# Allegro board 8880F5-0826_3.brd (continued)
## Placement (name value [footprint] x y rotation side) (continued)
K28  UA2-5NJ-A-V3  [RL_NECUA2_5V_V3]  100.33 237.24 0 bottom
K29  G6K-2F-RF-T-5V-SPECIAL  [RL_G6K2FRT_8P_5V_GR]  171.7 260.35 270 bottom
K30  G6K-2F-RF-T-5V-SPECIAL  [RL_G6K2FRT_8P_5V_GR]  188.47 260.35 270 bottom
K31  EC2-5NJ-A  [RL_NECEC2_10P_5V]  196.34 276.86 90 bottom
K33  NC/UA2-5NJ-A-V3  [RL_NECUA2_5V_V3]  123.7 237.24 180 bottom
K34  EC2-5NJ-A  [RL_NECEC2_10P_5V]  180.34 293.37 90 bottom
K36  EC2-5NJ-A  [RL_NECEC2_10P_5V]  123.19 292.1 90 bottom
K37  EC2-5NJ-A  [RL_NECEC2_10P_5V]  163.83 293.37 90 bottom
K39  EC2-5NJ-A  [RL_NECEC2_10P_5V]  180.34 276.86 90 bottom
K40  EC2-5NJ-A  [RL_NECEC2_10P_5V]  196.34 293.37 90 bottom
K42  EC2-5NJ-A  [RL_NECEC2_10P_5V]  163.83 276.86 90 bottom
K43  G6K-2F-RF-T-5V-SPECIAL  [RL_G6K2FRT_8P_5V_GR]  269.49 276.1 180 bottom
LD902  LDG-2-S8  [LED_0805]  36.83 130.81 90 top
LOGO1  -  [LOGO_KT_KSMT]  538.48 154.94 0 top
LOGO2  LOGO_HX_Himax  [LOGO_HX_HIMAX]  518.16 138.43 0 top
LQFP176-20X20-P0.4  REF-CODE-CHIP  [CHIP_CODE]  559.05 282.19 0 top
NOREF  -  []  310.43 187.61 90 top
NOREF#2  -  []  271.34 185.18 0 top
NOREF#3  -  []  175.7 230.17 90 top
NOREF#4  -  []  392.04 257.11 90 top
NOREF#5  -  []  330.73 205.56 90 top
NOREF#6  -  []  184.47 200.54 0 top
NOREF#7  -  []  501.87 273.87 90 top
NOREF#8  -  []  168.13 199.99 90 top
NOREF#9  -  []  252.43 132.14 0 top
NOREF#10  -  []  383.73 195.88 90 top
NOREF#11  -  []  239.33 176.03 90 top
NOREF#12  -  []  404.4 289.17 90 top
NOREF#13  -  []  390.59 195.9 90 top
NOREF#14  -  []  327.89 204.35 90 top
NOREF#15  -  []  248.96 224.74 0 top
NOREF#16  -  []  295.19 271.65 90 top
NOREF#17  -  []  184.47 174.46 90 top
NOREF#18  -  []  230.73 249.2 0 top
NOREF#19  -  []  259.59 145.09 0 top
NOREF#20  -  []  405.93 288.67 90 top
NOREF#21  -  []  230.41 246.34 90 top
NOREF#22  -  []  352.55 245.18 0 top
NOREF#23  -  []  327.25 265.55 0 top
NOREF#24  -  []  456.08 214.96 0 top
NOREF#25  -  []  184.47 214 90 top
NOREF#26  -  []  127.81 175.44 90 top
NOREF#27  -  []  461.96 217.98 0 top
NOREF#28  -  []  410.27 257.37 0 top
NOREF#29  -  []  108.27 171.02 0 top
NOREF#30  -  []  167.7 147.28 90 top
NOREF#31  -  []  250.49 163.52 90 top
NOREF#32  -  []  386.46 131.89 0 top
NOREF#33  -  []  110.21 195.15 0 top
NOREF#34  -  []  247.25 265.55 0 top
NOREF#35  -  []  375.22 163.39 0 top
NOREF#36  -  []  259.65 204.65 90 top
NOREF#37  -  []  407.67 129.99 90 top
NOREF#38  -  []  254.29 205.56 90 top
NOREF#39  -  []  121.9 238.84 0 top
NOREF#40  -  []  259.33 205.56 90 top
NOREF#41  -  []  383.09 273.11 0 top
NOREF#42  -  []  231.15 219.63 90 top
NOREF#43  -  []  167.7 206.29 90 top
NOREF#44  -  []  342.08 290.13 90 top
NOREF#45  -  []  471.21 211.76 90 top
NOREF#46  -  []  333.72 204.65 90 top
NOREF#47  -  []  101.82 273.87 90 top
NOREF#48  -  []  332.51 265.56 90 top
NOREF#49  -  []  271.04 189.18 0 top
NOREF#50  -  []  401.89 180.15 0 top
NOREF#51  -  []  352.55 182.64 0 top
NOREF#52  -  []  120.21 178.64 0 top
NOREF#53  -  []  388.43 180.15 0 top
NOREF#54  -  []  263.63 225.04 90 top
NOREF#55  -  []  331.62 265.56 90 top
NOREF#56  -  []  419.9 272.82 90 top
NOREF#57  -  []  379.48 239.21 90 top
NOREF#58  -  []  343.83 171.63 90 top
NOREF#59  -  []  201.23 186.57 90 top
NOREF#60  -  []  230.73 183.41 0 top
NOREF#61  -  []  383.83 209.11 0 top
NOREF#62  -  []  378.75 224.15 90 top
NOREF#63  -  []  377.32 180.15 0 top
NOREF#64  -  []  334.61 205.86 90 top
NOREF#65  -  []  247.57 204.65 90 top
NOREF#66  -  []  411.52 146.33 90 top
NOREF#67  -  []  339.65 265.86 90 top
NOREF#68  -  []  310.41 187.61 90 top
NOREF#69  -  []  379.52 188.15 0 top
NOREF#70  -  []  184.47 219.75 90 top
NOREF#71  -  []  451.68 214.96 0 top
NOREF#72  -  []  177.33 187.32 90 top
NOREF#73  -  []  209.23 209.49 90 top
NOREF#74  -  []  371.48 232.6 0 top
NOREF#75  -  []  329.28 165.04 90 top
NOREF#76  -  []  329.85 164.74 0 top
NOREF#77  -  []  397.3 209.36 0 top
NOREF#78  -  []  119.7 231.22 0 top
NOREF#79  -  []  122.44 171.1 0 top
NOREF#80  -  []  378.33 217.11 0 top
NOREF#81  -  []  310.41 183.09 90 top
NOREF#82  -  []  219.81 273.69 90 top
NOREF#83  -  []  271.34 181.37 0 top
NOREF#84  -  []  413.1 144.98 0 top
NOREF#85  -  []  296.96 180.71 0 top
NOREF#86  -  []  396.55 241.11 0 top
NOREF#87  -  []  352.24 189.18 90 top
NOREF#88  -  []  177.33 228.47 90 top
NOREF#89  -  []  351.04 185.5 0 top
NOREF#90  -  []  184.47 217.55 90 top
NOREF#91  -  []  331.05 205.86 90 top
NOREF#92  -  []  111.54 290.38 90 top
NOREF#93  -  []  257.09 224.74 90 top
NOREF#94  -  []  115.19 128.27 0 top
NOREF#95  -  []  397.38 163.64 90 top
NOREF#96  -  []  449.99 217.9 0 top
NOREF#97  -  []  93.76 273.87 90 top
NOREF#98  -  []  375.22 180.15 0 top
NOREF#99  -  []  273.5 148.65 90 top
NOREF#100  -  []  251.86 192.43 90 top
NOREF#101  -  []  327.15 286.96 90 top
NOREF#102  -  []  387.39 297.12 0 top
NOREF#103  -  []  192.47 243.88 90 top
NOREF#104  -  []  83.77 247.51 90 top
NOREF#105  -  []  230.43 248.88 0 top
NOREF#106  -  []  463.11 230.2 0 top
NOREF#107  -  []  310.43 253.37 90 top
NOREF#108  -  []  309.21 188.88 0 top
NOREF#109  -  []  448.94 290.38 90 top
NOREF#110  -  []  305.83 264.31 0 top
NOREF#111  -  []  410.52 289.12 0 top
NOREF#112  -  []  331.86 192.43 90 top
NOREF#113  -  []  108.27 178.64 0 top
NOREF#114  -  []  460.93 191.31 90 top
NOREF#115  -  []  252.51 205.55 0 top
NOREF#116  -  []  450.03 182.17 0 top
NOREF#117  -  []  298.16 248.49 0 top
NOREF#118  -  []  221.56 182.89 0 top
NOREF#119  -  []  251.22 193.63 0 top
NOREF#120  -  []  425.2 161.74 90 top
NOREF#121  -  []  208.98 257.6 90 top
NOREF#122  -  []  222.11 180.71 0 top
NOREF#123  -  []  372.72 178.25 0 top
NOREF#124  -  []  342.68 223.52 90 top
NOREF#125  -  []  463.11 186.77 0 top
NOREF#126  -  []  192.47 209.49 90 top
NOREF#127  -  []  118.33 289.48 90 top
NOREF#128  -  []  397.8 146.33 90 top
NOREF#129  -  []  301.56 242.89 0 top
NOREF#130  -  []  229.51 247.93 0 top
NOREF#131  -  []  327.25 265.56 0 top
NOREF#132  -  []  128.05 273.87 90 top
NOREF#133  -  []  112.41 222.33 0 top
NOREF#134  -  []  272.25 249.18 90 top
NOREF#135  -  []  343.63 225.04 90 top
NOREF#136  -  []  386.33 207.21 90 top
NOREF#137  -  []  405.93 256.92 90 top
NOREF#138  -  []  396.55 225.11 0 top
NOREF#139  -  []  263.63 163.82 90 top
NOREF#140  -  []  249.6 163.52 90 top
NOREF#141  -  []  398.53 144.98 90 top
NOREF#142  -  []  168.69 290.01 90 top
NOREF#143  -  []  249.28 163.82 90 top
NOREF#144  -  []  351.58 288.86 0 top
NOREF#145  -  []  201.66 213.45 90 top
NOREF#146  -  []  199.33 212.85 90 top
NOREF#147  -  []  451.68 195.91 0 top
NOREF#148  -  []  272.25 183.59 90 top
NOREF#149  -  []  385.19 265.11 0 top
NOREF#150  -  []  222.11 240.71 0 top
NOREF#151  -  []  332.51 205.55 0 top
NOREF#152  -  []  272.66 288.86 90 top
NOREF#153  -  []  387.39 265.11 0 top
NOREF#154  -  []  201.23 186.57 0 top
NOREF#155  -  []  334.29 205.56 90 top
NOREF#156  -  []  271.34 182.64 0 top
NOREF#157  -  []  456.04 179.06 0 top
NOREF#158  -  []  279.7 155.38 0 top
NOREF#159  -  []  165.8 254 90 top
NOREF#160  -  []  412.62 249.11 0 top
NOREF#161  -  []  398.65 265.37 0 top
NOREF#162  -  []  229.21 187.61 0 top
NOREF#163  -  []  367.48 258.38 90 top
NOREF#164  -  []  168.13 186.02 90 top
NOREF#165  -  []  369.38 224.6 0 top
NOREF#166  -  []  246.63 130.24 90 top
NOREF#167  -  []  184.89 254.6 90 top
NOREF#168  -  []  511.59 257.36 90 top
NOREF#169  -  []  371.48 241.11 0 top
NOREF#170  -  []  404.15 225.11 0 top
NOREF#171  -  []  230.43 183.09 0 top
NOREF#172  -  []  230.43 187.61 0 top
NOREF#173  -  []  351.04 241.69 0 top
NOREF#174  -  []  175.7 216.45 90 top
NOREF#175  -  []  331.38 224.74 90 top
NOREF#176  -  []  399.64 144.98 0 top
NOREF#177  -  []  411.01 209.61 0 top
NOREF#178  -  []  208.98 264.1 90 top
NOREF#179  -  []  250.73 204.35 90 top
NOREF#180  -  []  184.47 206.29 90 top
NOREF#181  -  []  375.73 193.43 0 top
NOREF#182  -  []  322.23 173.13 0 top
NOREF#183  -  []  201.49 173.11 0 top
NOREF#184  -  []  373.32 164.66 90 top
NOREF#185  -  []  369.63 289.12 0 top
NOREF#186  -  []  417.87 257.37 0 top
NOREF#187  -  []  330.49 163.52 90 top
NOREF#188  -  []  325.92 131.64 0 top
NOREF#189  -  []  221.56 231.46 0 top
NOREF#190  -  []  289.29 296.86 0 top
NOREF#191  -  []  184.47 145.93 0 top
NOREF#192  -  []  201.23 200.54 90 top
NOREF#193  -  []  258.61 131.69 90 top
NOREF#194  -  []  330.73 265.56 0 top
NOREF#195  -  []  175.7 195.52 90 top
NOREF#196  -  []  552.76 299.72 0 top
NOREF#197  -  []  456.08 230.2 0 top
NOREF#198  -  []  292.74 288.86 0 top
NOREF#199  -  []  383.09 289.12 0 top
NOREF#200  -  []  331.94 265.86 90 top
NOREF#201  -  []  231.15 159.63 90 top
NOREF#202  -  []  419.47 241.11 90 top
NOREF#203  -  []  336.45 224.72 0 top
NOREF#204  -  []  175.7 205.19 90 top
NOREF#205  -  []  118.45 239.39 0 top
NOREF#206  -  []  201.21 292.55 90 top
NOREF#207  -  []  410.52 241.11 0 top
NOREF#208  -  []  110.21 222.33 0 top
NOREF#209  -  []  339.33 265.56 90 top
NOREF#210  -  []  111.54 287.84 90 top
NOREF#211  -  []  383.09 257.11 0 top
NOREF#212  -  []  167.7 219.75 90 top
NOREF#213  -  []  199.59 145.03 0 top
NOREF#214  -  []  165.8 240.28 90 top
NOREF#215  -  []  295.96 177.06 0 top
NOREF#216  -  []  385.19 249.11 0 top
NOREF#217  -  []  217.41 213.24 0 top
NOREF#218  -  []  332.61 296.86 0 top
NOREF#219  -  []  118.96 179.19 0 top
NOREF#220  -  []  554.86 298.45 0 top
NOREF#221  -  []  303.84 288.86 0 top
NOREF#222  -  []  330.51 288.86 0 top
NOREF#223  -  []  402.14 146.88 0 top
NOREF#224  -  []  351.34 189.5 0 top
NOREF#225  -  []  471.21 168.33 90 top
NOREF#226  -  []  75.98 271.33 90 top
NOREF#227  -  []  332.51 265.55 0 top
NOREF#228  -  []  167.7 244.98 90 top
NOREF#229  -  []  271.34 189.5 0 top
NOREF#230  -  []  376.98 241.11 0 top
NOREF#231  -  []  230.41 186.34 90 top
NOREF#232  -  []  199.59 158.5 90 top
NOREF#233  -  []  317.05 288.86 0 top
NOREF#234  -  []  250.73 205.56 90 top
NOREF#235  -  []  351.04 181.69 0 top
NOREF#236  -  []  303.56 245.29 90 top
NOREF#237  -  []  330.51 288.86 0 top
NOREF#238  -  []  392.73 171.64 0 top
NOREF#239  -  []  339.33 205.55 0 top
NOREF#240  -  []  425.23 180.72 90 top
NOREF#241  -  []  351.34 249.5 0 top
NOREF#242  -  []  257.9 246.35 90 top
NOREF#243  -  []  386.53 148.15 90 top
NOREF#244  -  []  393.74 131.44 90 top
NOREF#245  -  []  460.89 174.46 90 top
NOREF#246  -  []  238.45 197.01 0 top
NOREF#247  -  []  450.03 191.31 0 top
NOREF#248  -  []  259.65 204.65 90 top
NOREF#249  -  []  251.05 265.86 90 top
NOREF#250  -  []  310.43 194.01 0 top
NOREF#251  -  []  262.04 224.74 0 top
NOREF#252  -  []  456.04 222.5 0 top
NOREF#253  -  []  273.81 286.96 90 top
NOREF#254  -  []  351.04 249.18 0 top
NOREF#255  -  []  107.76 238.84 0 top
NOREF#256  -  []  247.34 133.41 90 top
NOREF#257  -  []  210.86 242.18 90 top
NOREF#258  -  []  251.62 205.56 90 top
NOREF#259  -  []  394.66 274.38 90 top
NOREF#260  -  []  224.65 271.67 0 top
NOREF#261  -  []  177.33 255.9 90 top
NOREF#262  -  []  167.7 186.57 0 top
NOREF#263  -  []  108.01 195.15 0 top
NOREF#264  -  []  221.87 295.91 0 top
NOREF#265  -  []  389.7 209.36 0 top
NOREF#266  -  []  351.04 249.82 0 top
NOREF#267  -  []  220.36 237.06 0 top
NOREF#268  -  []  343.31 164.72 0 top
NOREF#269  -  []  450.03 182.17 0 top
NOREF#270  -  []  167.7 247.18 90 top
NOREF#271  -  []  369.63 273.11 0 top
NOREF#272  -  []  332.51 204.35 90 top
NOREF#273  -  []  199.59 158.5 0 top
NOREF#274  -  []  343.63 223.82 90 top
NOREF#275  -  []  339.65 204.65 90 top
NOREF#276  -  []  390.94 257.16 90 top
NOREF#277  -  []  246.23 173.13 0 top
NOREF#278  -  []  390.94 289.17 90 top
NOREF#279  -  []  392.24 193.43 90 top
NOREF#280  -  []  483.17 130.26 90 top
NOREF#281  -  []  127.3 228.02 90 top
NOREF#282  -  []  411.52 146.43 90 top
NOREF#283  -  []  167.7 149.48 90 top
NOREF#284  -  []  390.94 273.16 90 top
NOREF#285  -  []  310.73 249.2 0 top
NOREF#286  -  []  259.97 204.35 90 top
NOREF#287  -  []  451.64 222.5 0 top
NOREF#288  -  []  271.04 189.82 0 top
NOREF#289  -  []  319.15 296.86 0 top
NOREF#290  -  []  229.21 183.09 0 top
NOREF#291  -  []  381.2 242.38 90 top
NOREF#292  -  []  338.2 246.67 0 top
NOREF#293  -  []  399.67 139.89 0 top
NOREF#294  -  []  352.25 243.59 90 top
NOREF#295  -  []  461.86 187.32 0 top
NOREF#296  -  []  456.08 171.53 0 top
NOREF#297  -  []  240.83 254.63 0 top
NOREF#298  -  []  385.32 178.25 90 top
NOREF#299  -  []  271.34 189.5 0 top
NOREF#300  -  []  401.89 180.15 0 top
NOREF#301  -  []  201.49 151.93 90 top
NOREF#302  -  []  309.21 246.34 0 top
NOREF#303  -  []  234.33 168.13 90 top
NOREF#304  -  []  483.04 195.66 0 top
NOREF#305  -  []  412.62 289.12 0 top
NOREF#306  -  []  396.55 225.11 0 top
NOREF#307  -  []  264.29 143.19 0 top
NOREF#308  -  []  418.63 131.94 90 top
NOREF#309  -  []  290.64 288.86 0 top
NOREF#310  -  []  331.62 264.35 90 top
NOREF#311  -  []  226.85 271.67 0 top
NOREF#312  -  []  415.61 183.52 90 top
NOREF#313  -  []  122.19 247.3 90 top
NOREF#314  -  []  262.36 225.04 90 top
NOREF#315  -  []  310.41 193.37 90 top
NOREF#316  -  []  304.61 131.64 0 top
NOREF#317  -  []  199.59 243.9 90 top
NOREF#318  -  []  217.83 174.63 90 top
NOREF#319  -  []  210.6 255.9 90 top
NOREF#320  -  []  108.01 222.33 0 top
NOREF#321  -  []  386.46 139.89 0 top
NOREF#322  -  []  272.25 241.69 0 top
NOREF#323  -  []  450.03 210.36 0 top
NOREF#324  -  []  310.73 189.2 0 top
NOREF#325  -  []  411.26 179.6 90 top
NOREF#326  -  []  317.98 225.04 90 top
NOREF#327  -  []  182.82 148.4 90 top
NOREF#328  -  []  251.62 264.35 90 top
NOREF#329  -  []  374.34 210.38 90 top
NOREF#330  -  []  334.29 265.56 90 top
NOREF#331  -  []  263.31 224.74 0 top
NOREF#332  -  []  201.49 151.93 90 top
NOREF#333  -  []  388.43 163.64 0 top
NOREF#334  -  []  251.94 264.65 90 top
NOREF#335  -  []  342.68 164.74 90 top
NOREF#336  -  []  400.54 188.15 0 top
NOREF#337  -  []  271.34 242.64 0 top
NOREF#338  -  []  165.8 185.42 90 top
NOREF#339  -  []  343.63 165.04 90 top
NOREF#340  -  []  106.76 215.26 0 top
NOREF#341  -  []  420.62 271.47 90 top
NOREF#342  -  []  167.7 138.47 90 top
NOREF#343  -  []  327.25 265.56 90 top
NOREF#344  -  []  367.73 274.38 90 top
NOREF#345  -  []  397.8 146.43 90 top
NOREF#346  -  []  483.04 239.09 0 top
NOREF#347  -  []  118.99 166.5 90 top
NOREF#348  -  []  410.78 131.89 0 top
NOREF#349  -  []  352.55 189.5 0 top
NOREF#350  -  []  518.38 290.38 90 top
NOREF#351  -  []  414.82 249.11 0 top
NOREF#352  -  []  333.4 264.35 90 top
NOREF#353  -  []  222.67 298 90 top
NOREF#354  -  []  400.91 207.71 0 top
NOREF#355  -  []  399.07 208.91 90 top
NOREF#356  -  []  237.66 224.74 0 top
NOREF#357  -  []  462.06 293.82 90 top
NOREF#358  -  []  404.15 241.11 0 top
NOREF#359  -  []  305.94 296.86 0 top
NOREF#360  -  []  201.49 161 90 top
NOREF#361  -  []  352.25 249.18 90 top
NOREF#362  -  []  371.73 289.12 0 top
NOREF#363  -  []  229.51 187.93 0 top
NOREF#364  -  []  230.73 249.2 0 top
NOREF#365  -  []  396.03 163.64 0 top
NOREF#366  -  []  313.22 288.41 90 top
NOREF#367  -  []  222.11 192.14 0 top
NOREF#368  -  []  343.31 224.72 0 top
NOREF#369  -  []  272.8 157.28 0 top
NOREF#370  -  []  249.85 164.74 0 top
NOREF#371  -  []  253.33 181.33 90 top
NOREF#372  -  []  310.73 253.69 0 top
NOREF#373  -  []  167.7 231.27 90 top
NOREF#374  -  []  165.8 131.57 90 top
NOREF#375  -  []  259.88 288.41 90 top
NOREF#376  -  []  115.87 167.82 90 top
NOREF#377  -  []  451.64 222.5 0 top
NOREF#378  -  []  100.98 195.15 0 top
NOREF#379  -  []  418.12 257.42 90 top
NOREF#380  -  []  453.88 186.77 0 top
NOREF#381  -  []  333.33 181.33 90 top
NOREF#382  -  []  393.19 255.21 90 top
NOREF#383  -  []  184.89 199.99 90 top
NOREF#384  -  []  279.27 296.86 0 top
NOREF#385  -  []  406.65 287.22 90 top
NOREF#386  -  []  330.49 223.52 90 top
NOREF#387  -  []  394.05 223.21 0 top
NOREF#388  -  []  451.68 171.53 0 top
NOREF#389  -  []  272.24 183.59 90 top
NOREF#390  -  []  406.65 271.21 90 top
NOREF#391  -  []  316.43 132.91 90 top
NOREF#392  -  []  254.29 265.55 0 top
NOREF#393  -  []  392.47 256.66 90 top
NOREF#394  -  []  388.43 163.64 0 top
NOREF#395  -  []  310.73 193.69 0 top
NOREF#396  -  []  175.7 175.56 90 top
NOREF#397  -  []  419.9 154.88 0 top
NOREF#398  -  []  93.76 290.38 90 top
NOREF#399  -  []  184.47 159.65 0 top
NOREF#400  -  []  108.01 214.71 0 top
NOREF#401  -  []  379.73 271.21 90 top
NOREF#402  -  []  122.15 195.15 0 top
NOREF#403  -  []  300.36 237.06 0 top
NOREF#404  -  []  253.4 205.55 0 top
NOREF#405  -  []  269.69 135.19 0 top
NOREF#406  -  []  230.43 248.88 90 top
NOREF#407  -  []  373.87 188.15 0 top
NOREF#408  -  []  182.57 212.85 90 top
NOREF#409  -  []  333.4 205.56 90 top
NOREF#410  -  []  288.74 290.13 90 top
NOREF#411  -  []  477.24 195.66 0 top
NOREF#412  -  []  404.24 146.88 0 top
NOREF#413  -  []  453.88 214.96 0 top
NOREF#414  -  []  424.47 163.19 90 top
NOREF#415  -  []  121.9 231.22 0 top
NOREF#416  -  []  339.33 205.55 0 top
NOREF#417  -  []  393.31 131.89 90 top
NOREF#418  -  []  219.81 213.69 90 top
NOREF#419  -  []  518.38 273.87 90 top
NOREF#420  -  []  262.36 163.82 90 top
NOREF#421  -  []  235.4 289.88 90 top
NOREF#422  -  []  392.47 224.4 90 top
NOREF#423  -  []  371.73 297.12 0 top
NOREF#424  -  []  381.86 129.99 0 top
NOREF#425  -  []  381.74 297.12 0 top
NOREF#426  -  []  301.95 290.13 90 top
NOREF#427  -  []  310.73 193.69 0 top
NOREF#428  -  []  259.33 265.56 90 top
NOREF#429  -  []  194.09 214.75 90 top
NOREF#430  -  []  468.01 171.53 0 top
NOREF#431  -  []  319.33 236.03 90 top
NOREF#432  -  []  209.23 191.22 90 top
NOREF#433  -  []  210.86 187.32 90 top
NOREF#434  -  []  175.7 164.3 90 top
NOREF#435  -  []  511.59 273.87 90 top
NOREF#436  -  []  260.83 234.63 90 top
NOREF#437  -  []  184.47 163.2 90 top
NOREF#438  -  []  471.21 219.38 90 top
NOREF#439  -  []  405.5 241.11 90 top
NOREF#440  -  []  403.99 163.64 0 top
NOREF#441  -  []  461.86 225.6 90 top
NOREF#442  -  []  327.57 264.65 90 top
NOREF#443  -  []  450.03 166.93 0 top
NOREF#444  -  []  230.43 253.37 90 top
NOREF#445  -  []  184.47 192.32 90 top
NOREF#446  -  []  392.47 288.57 90 top
NOREF#447  -  []  385.61 208.56 90 top
NOREF#448  -  []  116.01 214.71 0 top
NOREF#449  -  []  222.11 252.14 0 top
NOREF#450  -  []  257.09 163.52 90 top
NOREF#451  -  []  184.47 242.78 90 top
NOREF#452  -  []  378.58 289.12 90 top
NOREF#453  -  []  400.54 171.64 0 top
NOREF#454  -  []  199.59 230.19 90 top
NOREF#455  -  []  383.09 257.11 0 top
NOREF#456  -  []  175.7 150.58 90 top
NOREF#457  -  []  309.51 183.41 0 top
NOREF#458  -  []  167.7 215.35 90 top
NOREF#459  -  []  460.89 217.9 90 top
NOREF#460  -  []  220.36 177.06 0 top
NOREF#461  -  []  406.44 154.88 0 top
NOREF#462  -  []  375.73 199.18 90 top
NOREF#463  -  []  408.02 239.21 0 top
NOREF#464  -  []  303.15 271.32 90 top
NOREF#465  -  []  414.57 265.37 0 top
NOREF#466  -  []  310.83 224.63 0 top
NOREF#467  -  []  384.59 162.94 90 top
NOREF#468  -  []  272.55 243.91 0 top
NOREF#469  -  []  379.73 287.22 90 top
NOREF#470  -  []  328.96 224.74 0 top
NOREF#471  -  []  248.96 224.72 0 top
NOREF#472  -  []  184.89 172.56 90 top
NOREF#473  -  []  270.04 280.1 0 top
NOREF#474  -  []  396.55 241.11 0 top
NOREF#475  -  []  418.12 273.37 0 top
NOREF#476  -  []  105.93 204.27 90 top
NOREF#477  -  []  112.05 246.78 90 top
NOREF#478  -  []  284.77 146.93 90 top
NOREF#479  -  []  393.74 131.34 90 top
NOREF#480  -  []  397.38 146.88 90 top
NOREF#481  -  []  106.18 160.58 90 top
NOREF#482  -  []  209.49 177.76 90 top
NOREF#483  -  []  450.03 191.31 0 top
NOREF#484  -  []  318.32 131.64 0 top
NOREF#485  -  []  420.15 131.34 90 top
NOREF#486  -  []  546.67 300.44 90 top
NOREF#487  -  []  235.85 296.61 0 top
NOREF#488  -  []  409.74 180.2 90 top
NOREF#489  -  []  192.47 218.65 90 top
NOREF#490  -  []  411.99 178.25 90 top
NOREF#491  -  []  256.77 223.82 90 top
NOREF#492  -  []  461.96 217.98 0 top
NOREF#493  -  []  312.25 271.67 90 top
NOREF#494  -  []  239.33 183.63 90 top
NOREF#495  -  []  339.97 264.35 90 top
NOREF#496  -  []  168.13 132.17 90 top
NOREF#497  -  []  311.44 288.86 0 top
NOREF#498  -  []  279.27 288.86 0 top
NOREF#499  -  []  392.73 188.15 0 top
NOREF#500  -  []  459.28 168.33 90 top
NOREF#501  -  []  201.49 159.65 90 top
NOREF#502  -  []  306.85 271.67 0 top
NOREF#503  -  []  342.04 164.72 0 top
NOREF#504  -  []  185.2 276.04 90 top
NOREF#505  -  []  165.8 131.57 0 top
NOREF#506  -  []  165.8 144.78 0 top
NOREF#507  -  []  199.33 240.28 90 top
NOREF#508  -  []  398.65 273.11 0 top
NOREF#509  -  []  406.65 223.21 90 top
NOREF#510  -  []  354.27 131.87 90 top
NOREF#511  -  []  175.7 264.1 90 top
NOREF#512  -  []  395.2 249.11 0 top
NOREF#513  -  []  352.25 189.82 0 top
NOREF#514  -  []  405.5 257.37 90 top
NOREF#515  -  []  303.84 288.86 0 top
NOREF#516  -  []  260.74 143.19 0 top
NOREF#517  -  []  184.47 233.47 90 top
NOREF#518  -  []  216.96 252.14 0 top
NOREF#519  -  []  314.92 144.15 90 top
NOREF#520  -  []  377.32 171.39 0 top
NOREF#521  -  []  451.68 171.53 0 top
NOREF#522  -  []  209.49 164.3 90 top
NOREF#523  -  []  118.45 239.39 0 top
NOREF#524  -  []  379 272.56 90 top
NOREF#525  -  []  230.43 249.52 0 top
NOREF#526  -  []  369.38 241.11 0 top
NOREF#527  -  []  327.25 205.56 90 top
NOREF#528  -  []  336.45 224.74 0 top
NOREF#529  -  []  450.03 166.93 0 top
NOREF#530  -  []  313.22 288.31 90 top
NOREF#531  -  []  167.7 241.43 0 top
NOREF#532  -  []  333.4 265.56 0 top
NOREF#533  -  []  485.36 289.48 90 top
NOREF#534  -  []  118.7 188.08 0 top
NOREF#535  -  []  301.56 231.46 0 top
NOREF#536  -  []  35.83 128.17 90 top
NOREF#537  -  []  352.25 181.69 0 top
NOREF#538  -  []  172.08 272.6 90 top
NOREF#539  -  []  453.88 239.34 0 top
NOREF#540  -  []  314.33 228.13 90 top
NOREF#541  -  []  301.56 171.46 0 top
NOREF#542  -  []  175.7 232.37 90 top
NOREF#543  -  []  352.24 183.59 90 top
NOREF#544  -  []  254.29 204.35 90 top
NOREF#545  -  []  252.51 265.56 90 top
NOREF#546  -  []  237.83 197.63 0 top
NOREF#547  -  []  249.6 223.52 90 top
NOREF#548  -  []  459.28 227 90 top
NOREF#549  -  []  473.6 162.62 90 top
NOREF#550  -  []  167.7 173.11 0 top
NOREF#551  -  []  96.58 195.15 0 top
NOREF#552  -  []  374.08 195.9 90 top
NOREF#553  -  []  265.81 296.86 0 top
NOREF#554  -  []  201.49 147.53 90 top
NOREF#555  -  []  352.25 183.59 90 top
NOREF#556  -  []  352.25 249.82 0 top
NOREF#557  -  []  352.25 184.86 90 top
NOREF#558  -  []  400.85 249.11 0 top
NOREF#559  -  []  192.57 242.68 90 top
NOREF#560  -  []  184.47 161 90 top
NOREF#561  -  []  237.66 164.72 0 top
NOREF#562  -  []  118.7 182.93 90 top
NOREF#563  -  []  369.38 224.6 0 top
NOREF#564  -  []  273.95 147.38 90 top
NOREF#565  -  []  306.85 211.67 0 top
NOREF#566  -  []  392.47 288.67 90 top
NOREF#567  -  []  377.23 257.16 90 top
NOREF#568  -  []  352.24 182.32 90 top
NOREF#569  -  []  339.46 288.86 90 top
NOREF#570  -  []  385.93 161.74 0 top
NOREF#571  -  []  473.6 206.05 90 top
NOREF#572  -  []  418.37 273.42 90 top
NOREF#573  -  []  262.68 223.52 90 top
NOREF#574  -  []  272.25 181.69 0 top
NOREF#575  -  []  272.25 243.59 90 top
NOREF#576  -  []  251.22 253.63 0 top
NOREF#577  -  []  303.15 211.32 90 top
NOREF#578  -  []  329.28 163.82 90 top
NOREF#579  -  []  320.42 131.64 0 top
NOREF#580  -  []  397.8 163.09 90 top
NOREF#581  -  []  262.09 143.19 0 top
NOREF#582  -  []  302.11 252.14 0 top
NOREF#583  -  []  185.2 273.5 90 top
NOREF#584  -  []  351.04 245.5 0 top
NOREF#585  -  []  352.24 242.32 90 top
NOREF#586  -  []  201.23 241.43 90 top
NOREF#587  -  []  182.57 212.85 0 top
NOREF#588  -  []  167.7 161 90 top
NOREF#589  -  []  460.93 210.36 90 top
NOREF#590  -  []  215.96 237.06 0 top
NOREF#591  -  []  406.65 255.47 90 top
NOREF#592  -  []  408.63 242.38 90 top
NOREF#593  -  []  248.33 187.93 0 top
NOREF#594  -  []  230.43 189.52 0 top
NOREF#595  -  []  127.3 235.64 90 top
NOREF#596  -  []  259.33 265.55 0 top
NOREF#597  -  []  184.89 213.45 90 top
NOREF#598  -  []  318.45 197.01 0 top
NOREF#599  -  []  229.21 246.34 0 top
NOREF#600  -  []  253.53 140.14 0 top
NOREF#601  -  []  409.49 163.64 0 top
NOREF#602  -  []  309.21 187.61 0 top
NOREF#603  -  []  392.66 192.88 90 top
NOREF#604  -  []  201.23 244.98 90 top
NOREF#605  -  []  413.2 164.91 90 top
NOREF#606  -  []  167.7 186.57 90 top
NOREF#607  -  []  230.43 193.37 90 top
NOREF#608  -  []  310.43 254.01 0 top
NOREF#609  -  []  463.61 222.58 0 top
NOREF#610  -  []  234.7 298.51 0 top
NOREF#611  -  []  218.16 248.49 0 top
NOREF#612  -  []  375.73 199.18 90 top
NOREF#613  -  []  209.23 243.88 90 top
NOREF#614  -  []  284.79 272.65 90 top
NOREF#615  -  []  351.04 189.18 0 top
NOREF#616  -  []  330.73 205.55 0 top
NOREF#617  -  []  372.72 161.49 0 top
NOREF#618  -  []  383.83 194.68 90 top
NOREF#619  -  []  308.91 139.64 0 top
NOREF#620  -  []  237.83 257.63 0 top
NOREF#621  -  []  396.55 273.11 0 top
NOREF#622  -  []  264.29 280.1 0 top
NOREF#623  -  []  408.63 290.39 90 top
NOREF#624  -  []  470.71 227 90 top
NOREF#625  -  []  343.95 224.74 90 top
NOREF#626  -  []  354.08 286.96 90 top
NOREF#627  -  []  192.57 174.36 90 top
NOREF#628  -  []  398.65 233.11 0 top
NOREF#629  -  []  321.35 296.86 0 top
